# KiCad board Endstufe.kicad_pcb
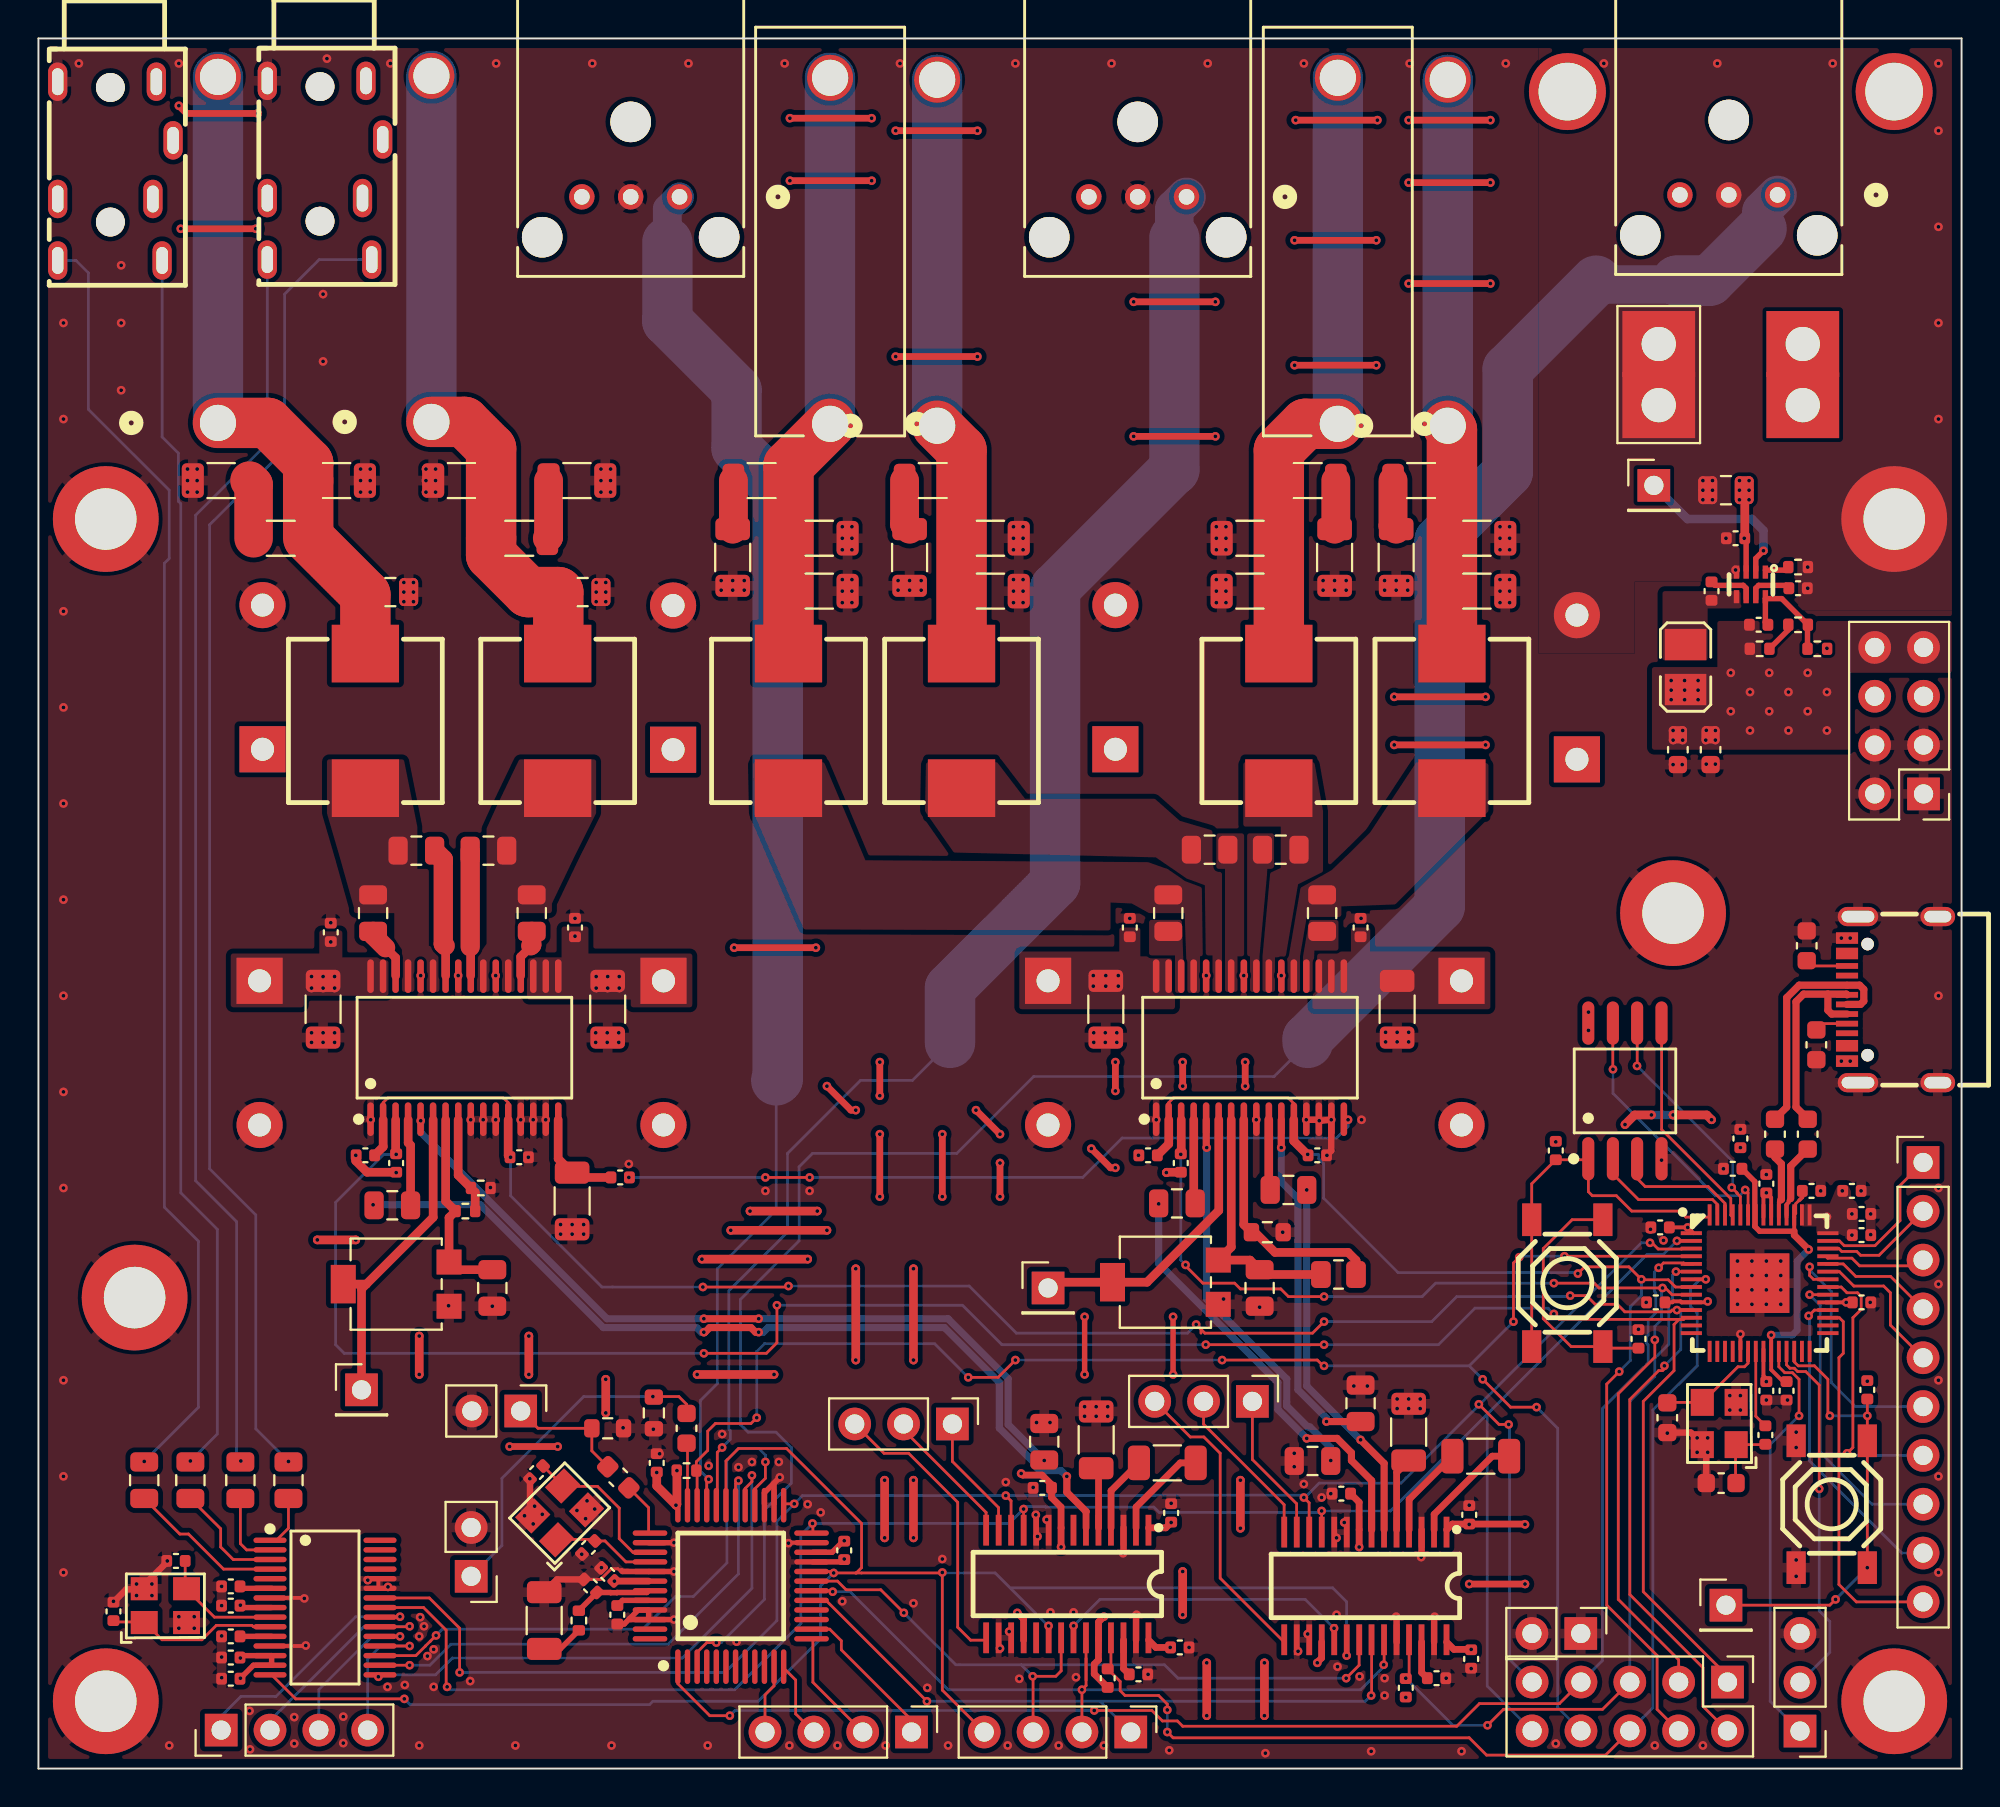
[diagram p0: board, top side]
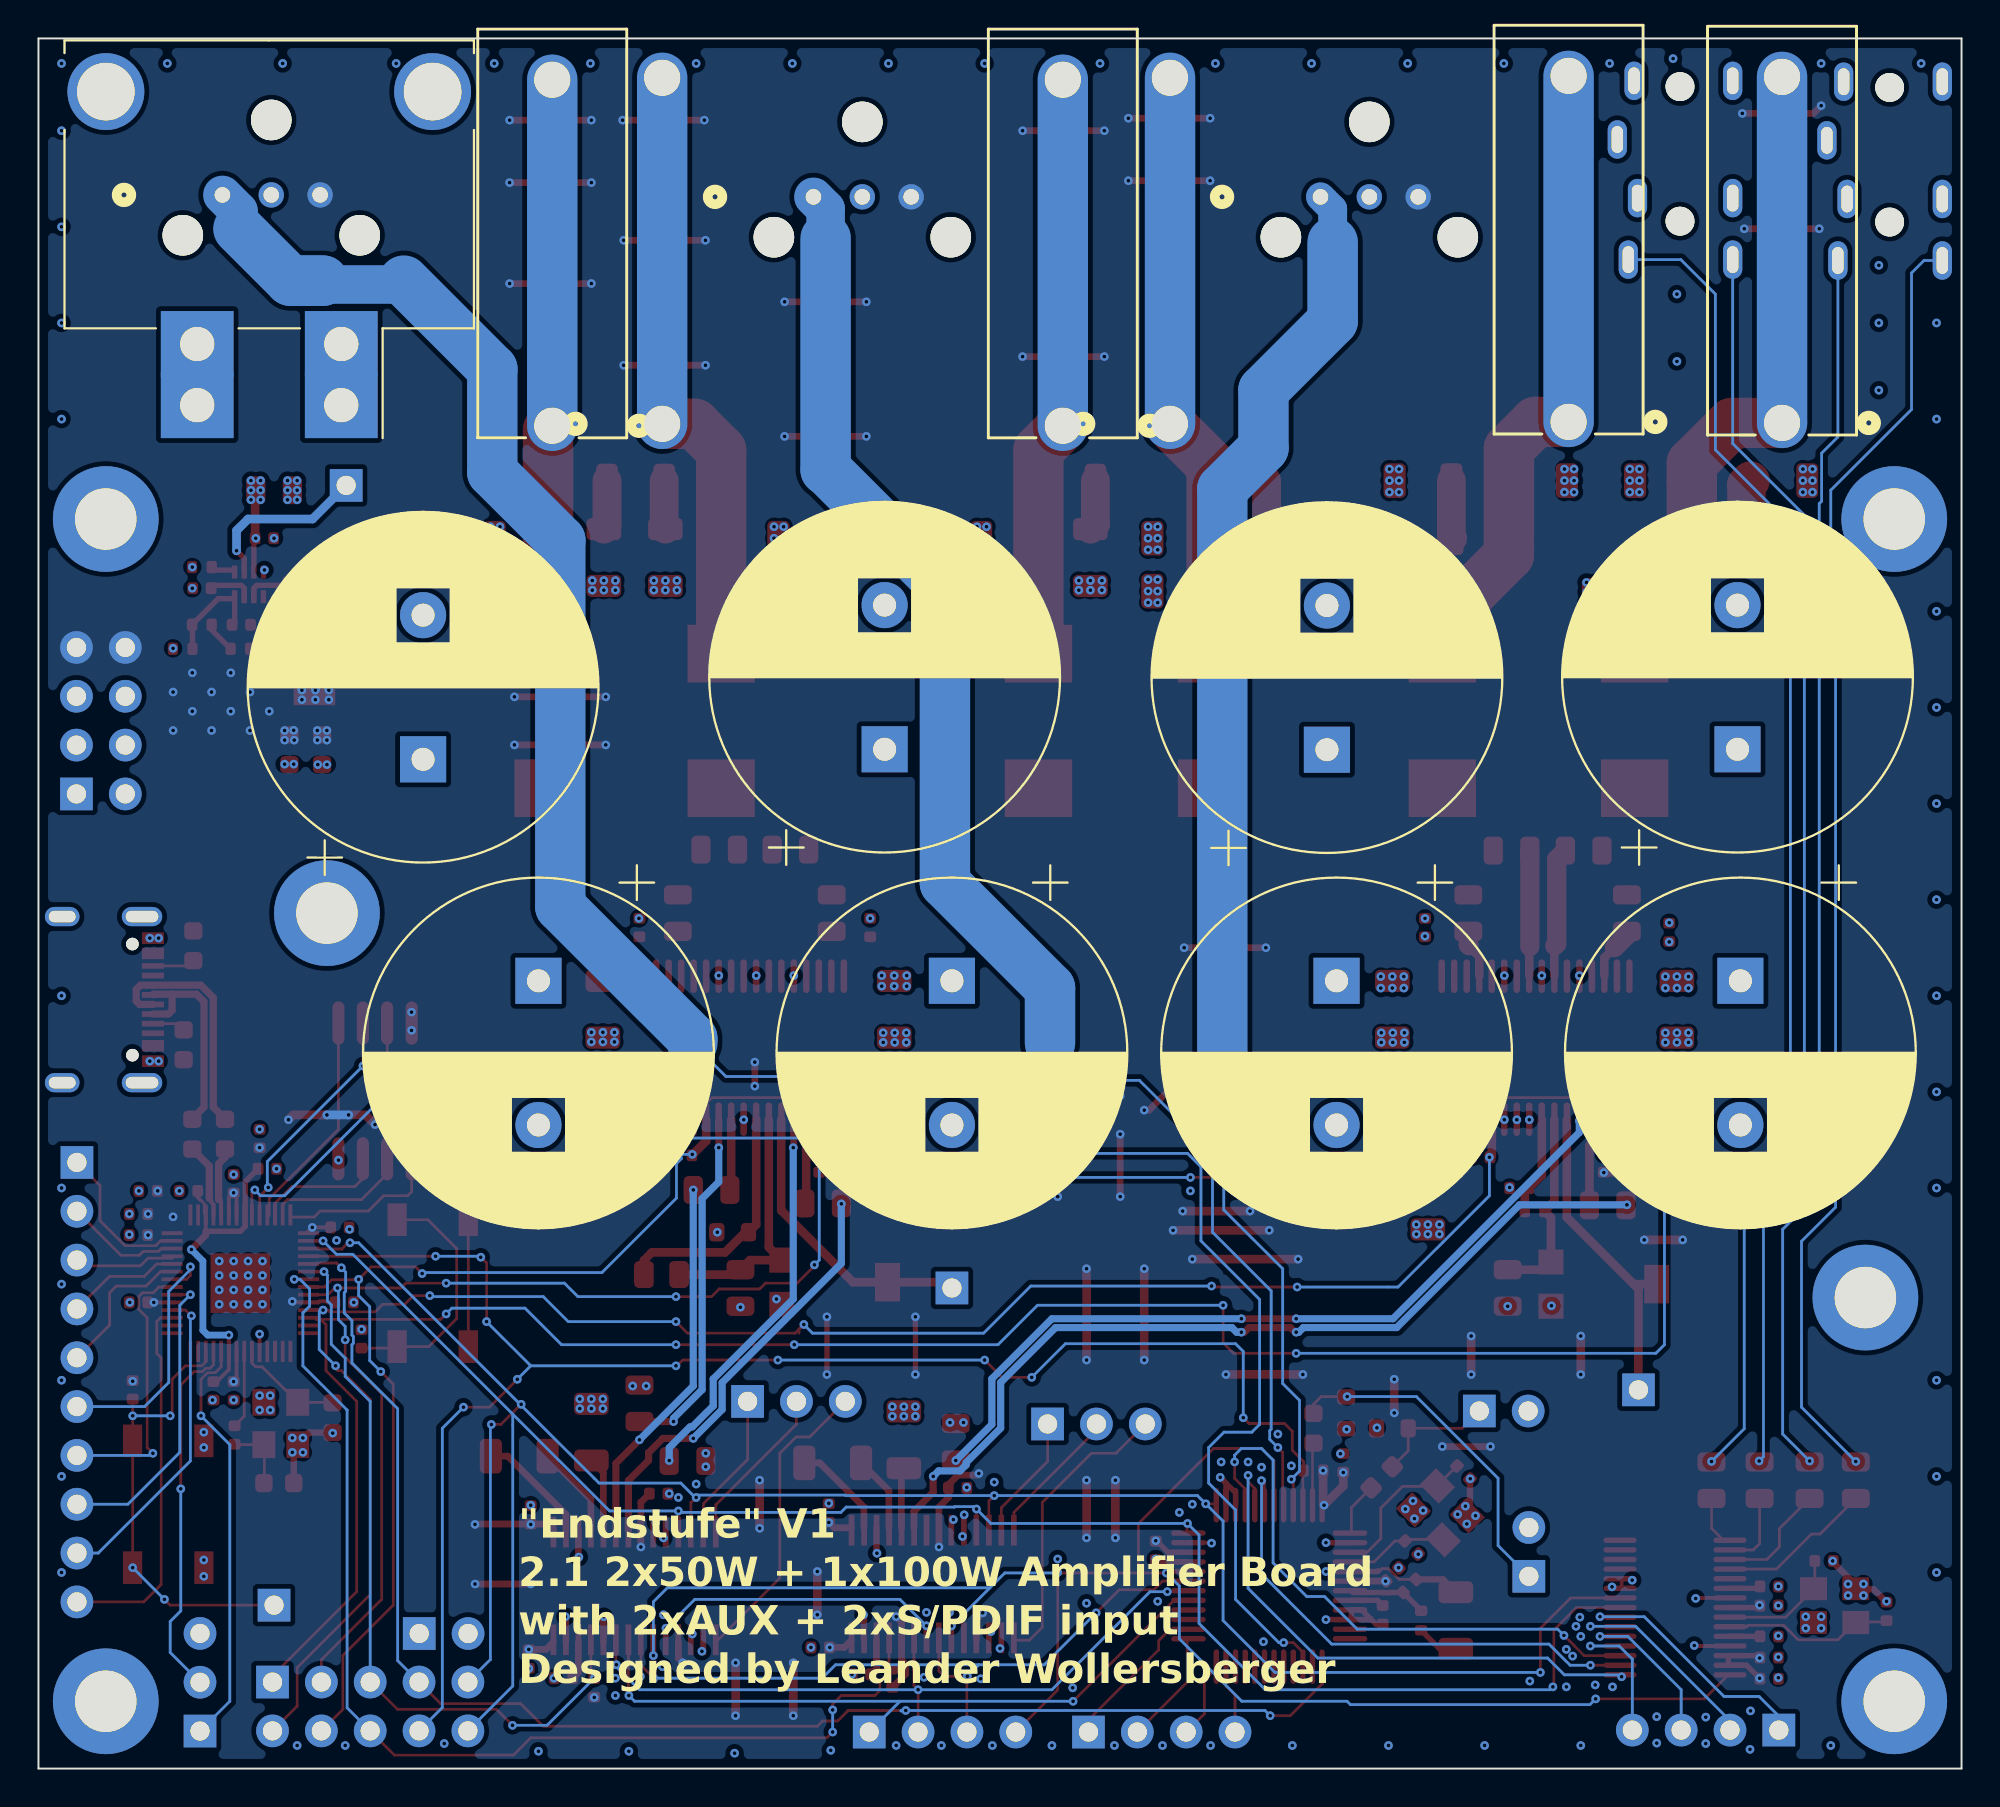
[diagram p1: board, bottom side, seen from below]

Outline 100 x 90 mm; copper layers: Top, In1.Cu, In2.Cu, Bottom. Coordinates in mm from the lower left corner of the outline.
Outline path: 0,90 0,0 100,0 100,90 0,90
Stack: Top 0.035mm / dielectric 0.0994mm 3313 er 4.1 / In1.Cu 0.0152mm / dielectric 1.265mm JLCPCB Core er 4.6 / In2.Cu 0.0152mm / dielectric 0.0994mm 3313 er 4.1 / Bottom 0.035mm

## Placement (name value [footprint] x y rotation side)
C1  10uF  [C_0805_2012Metric]  7.9 15 270 top
C2  10uF  [C_0805_2012Metric]  5.5 15 270 top
C3  10uF  [C_0805_2012Metric]  13 15 270 top
C4  10uF  [C_0805_2012Metric]  10.5 15 270 top
C5  33nF  [C_0402_1005Metric]  91.5 61.4 0 top
C6  100nF  [C_0402_1005Metric]  88.25 64 180 top
C7  30pF  [C_0402_1005Metric]  7.15 10.8 0 top
C8  30pF  [C_0402_1005Metric]  3.9 8.18 90 top
C9  10uF  [C_0805_2012Metric]  87.75 66.5 180 top
C10  10uF  [C_0402_1005Metric]  10 8.47 0 top
C11  10uF  [C_0402_1005Metric]  10 6.88 180 top
C12  10uF  [C_0402_1005Metric]  10 9.47 180 top
C13  10uF  [C_0402_1005Metric]  10 5.78 0 top
C14  10uF  [C_0402_1005Metric]  10 4.68 0 top
C15  10uF  [C_1206_3216Metric]  71.25 17.5 90 top
C16  10uF  [C_1206_3216Metric]  55 17.1 90 top
C17  10uF  [C_1206_3216Metric]  75 16.25 180 top
C18  10uF  [C_1206_3216Metric]  58.7 15.9 180 top
C19  4.7nF  [C_0402_1005Metric]  28.7 9.5 135 top
C20  68nF  [C_1206_3216Metric]  26.3 7.7 270 top
C21  100nF  [C_0402_1005Metric]  87 61.25 270 top
C22  47pF  [C_0402_1005Metric]  89.45 59.5 0 top
C23  22uF  [C_0603_1608Metric]  85.25 53 270 top
C24  10uF  [C_0402_1005Metric]  41.9 11.35 90 top
C25  10uF  [C_0402_1005Metric]  29.6 10.1 315 top
C26  10uF  [C_0402_1005Metric]  32.15 15.9 270 top
C27  10uF  [C_0402_1005Metric]  30.1 8 270 top
C28  22uF  [C_0603_1608Metric]  86.95 53 270 top
C29  30pF  [C_0402_1005Metric]  25.9 15.4 45 top
C30  30pF  [C_0402_1005Metric]  28.6 11.5 225 top
C31  0.1uF  [C_0603_1608Metric]  33.7 17.7 90 top
C32  0.1uF  [C_0603_1608Metric]  30.15 15.15 135 top
C33  10uF  [C_0402_1005Metric]  92.2 30.05 180 top
C34  10uF  [C_0402_1005Metric]  90.9 19.65 90 top
C35  10uF  [C_0402_1005Metric]  94.8 27.75 180 top
C36  10uF  [C_0402_1005Metric]  74.5 5.7 90 top
C37  10uF  [C_0402_1005Metric]  74.4 13.2 270 top
C38  10uF  [C_0402_1005Metric]  67.75 14.3 0 top
C39  10uF  [C_0402_1005Metric]  89.85 30.42 270 top
C40  10uF  [C_0402_1005Metric]  72.7 4.7 0 top
C43  10uF  [C_0402_1005Metric]  94.8 28.85 180 top
C44  10uF  [C_0402_1005Metric]  88.1 31.2 0 top
C45  10uF  [C_0402_1005Metric]  94.3 30.05 180 top
C46  10uF  [C_0402_1005Metric]  58.9 13.3 270 top
C47  10uF  [C_0402_1005Metric]  52.2 14.6 0 top
C48  10uF  [C_0402_1005Metric]  59.35 6.3 180 top
C50  10uF  [C_0402_1005Metric]  88.5 32.78 270 top
C51  10uF  [C_0402_1005Metric]  57.2 4.9 0 top
C53  1uF  [C_0805_2012Metric]  59.2 29.4 0 top
C54  1uF  [C_0805_2012Metric]  66.25 16 0 top
C55  1uF  [C_0805_2012Metric]  65 30.1 180 top
C56  1uF  [C_0805_2012Metric]  68.75 19 270 top
C57  1uF X7R  [C_0805_2012Metric]  63.5 25 90 top
C58  220nF  [C_0805_2012Metric]  17.4 44.5 90 top
C59  220nF  [C_0805_2012Metric]  19.65 47.75 180 top
C60  1uF  [C_0805_2012Metric]  52.3 17 270 top
C61  1uF X7R  [C_0805_2012Metric]  23.6 25 90 top
C62  1uF  [C_0805_2012Metric]  18.4 29.3 0 top
C63  1nF  [C_1206_3216Metric]  27.75 29.53 270 top
C64  220nF  [C_0805_2012Metric]  58.75 44.5 90 top
C65  220nF  [C_0805_2012Metric]  60.9 47.8 180 top
C66  100nF  [C_0402_1005Metric]  15.2 43.5 90 top
C67  100nF  [C_0402_1005Metric]  27.9 43.75 90 top
C68  10uF  [C_1206_3216Metric]  14.8 39.5 270 top
C69  10uF  [C_1206_3216Metric]  29.6 39.5 270 top
C70  2200uF  [CP_Radial_D18.0mm_P7.50mm]  33 53 90 bottom
C71  2200uF  [CP_Radial_D18.0mm_P7.50mm]  11.65 53.02 90 bottom
C72  220nF  [C_0805_2012Metric]  64.6 47.8 0 top
C73  220nF  [C_0805_2012Metric]  66.75 44.5 90 top
C74  680nF  [C_1206_3216Metric]  40.6 61.25 0 top
C75  680nF  [C_1206_3216Metric]  49.5 61.25 180 top
C76  680nF  [C_1206_3216Metric]  63 61.25 180 top
C77  680nF  [C_1206_3216Metric]  74.8 61.25 180 top
C78  1nF  [C_1206_3216Metric]  40.6 64 0 top
C79  1nF  [C_1206_3216Metric]  49.5 64 180 top
C80  10nF  [C_1206_3216Metric]  45.3 63 90 top
C81  10nF  [C_1206_3216Metric]  36.1 63 270 top
C82  1nF  [C_1206_3216Metric]  63 64 180 top
C83  1nF  [C_1206_3216Metric]  74.8 64 180 top
C84  10nF  [C_1206_3216Metric]  67.4 63 270 top
C85  10nF  [C_1206_3216Metric]  70.6 63 90 top
C86  10uF  [C_1206_3216Metric]  70.65 39.5 270 top
C87  10uF  [C_1206_3216Metric]  55.5 39.5 270 top
C88  100nF  [C_0402_1005Metric]  56.75 43.75 90 top
C89  100nF  [C_0402_1005Metric]  68.75 43.75 90 top
C90  2200uF  [CP_Radial_D18.0mm_P7.50mm]  52.5 40.98 270 bottom
C91  2200uF  [CP_Radial_D18.0mm_P7.50mm]  74 40.98 270 bottom
C92  1uF  [C_0805_2012Metric]  18.3 61.2 0 top
C93  1uF  [C_0805_2012Metric]  28.3 61.2 180 top
C94  1nF  [C_1206_3216Metric]  15.5 67 0 top
C95  1nF  [C_1206_3216Metric]  22 67 0 top
C96  10nF  [C_1206_3216Metric]  9.5 67 180 top
C97  10nF  [C_1206_3216Metric]  28 67 180 top
C98  220nF  [C_0805_2012Metric]  25.65 44.5 90 top
C99  220nF  [C_0805_2012Metric]  23.4 47.75 0 top
C100  2200uF  [CP_Radial_D18.0mm_P7.50mm]  56 53.02 90 bottom
C101  2200uF  [CP_Radial_D18.0mm_P7.50mm]  80 52.5 90 bottom
C102  2200uF  [CP_Radial_D18.0mm_P7.50mm]  32.5 40.98 270 bottom
C103  2200uF  [CP_Radial_D18.0mm_P7.50mm]  11.5 40.98 270 bottom
C104  10uF  [C_0402_1005Metric]  84.32 28.15 0 top
C105  10uF  [C_0402_1005Metric]  84.1 24.25 0 top
C106  10uF  [C_0402_1005Metric]  89.85 19.65 90 top
C107  10uF  [C_0402_1005Metric]  94.8 24.25 180 top
C108  30pF  [C_0603_1608Metric]  84.7 18.25 90 top
C109  30pF  [C_0603_1608Metric]  87.5 14.85 0 top
H1  MountingHole  [MountingHole_3.2mm_M3_ISO14580_Pad]  96.5 3.5 0 top
H2  MountingHole  [MountingHole_3.2mm_M3_ISO14580_Pad]  3.5 65 0 top
H3  MountingHole  [MountingHole_3.2mm_M3_ISO14580_Pad]  96.5 65 0 top
H4  MountingHole  [MountingHole_3.2mm_M3_ISO14580_Pad]  3.5 3.5 0 top
H5  MountingHole  [MountingHole_3.2mm_M3_ISO14580_Pad]  85 44.5 0 top
H6  MountingHole  [MountingHole_3.2mm_M3_ISO14580_Pad]  5 24.5 0 top
J1  ST-0322D00-071-1A2H  [AUDIO-TH_ST-0322D00-071-1A2H]  4 83.1 270 top
J2  ST-0322D00-071-1A2H  [AUDIO-TH_ST-0322D00-071-1A2H]  14.9 83.15 270 top
J3  DNP  [PinHeader_1x02_P2.54mm_Vertical]  22.5 10 180 top
J4  DNP  [PinHeader_1x02_P2.54mm_Vertical]  25.07 18.6 270 top
J5  FCR684205R  [CONN3_FCR684205R_CLF]  33.34 81.76 180 top
J6  FCR684205R  [CONN3_FCR684205R_CLF]  59.7 81.76 180 top
J7  DNP  [PinHeader_1x03_P2.54mm_Vertical]  63.12 19.1 270 top
J8  DNP  [PinHeader_1x03_P2.54mm_Vertical]  47.53 17.92 270 top
J9  Conn_01x01_Pin  [PinHeader_1x01_P2.54mm_Vertical]  52.5 25 0 top
J10  Conn_01x01_Pin  [PinHeader_1x01_P2.54mm_Vertical]  16.8 19.7 0 top
J11  banana connector  [CONN_973582100_HRS]  41.17 69.95 180 top
J12  banana connector  [CONN_973582100_HRS]  46.73 69.85 0 bottom
J13  banana connector  [CONN_973582100_HRS]  67.57 69.95 180 top
J14  banana connector  [CONN_973582100_HRS]  73.28 69.85 0 bottom
J15  banana connector  [CONN_973582100_HRS]  9.33 70 0 bottom
J16  banana connector  [CONN_973582100_HRS]  20.43 70.05 0 bottom
J17  DNP  [PinHeader_1x01_P2.54mm_Vertical]  84 66.75 0 top
J18  Conn_01x02_Pin  [Molex_Sabre_43160-1102_1x02_P7.49mm_Horizontal]  84.25 74.11 0 bottom
J19  DNP  [PinHeader_1x04_P2.54mm_Vertical]  9.5 2 90 top
J20  FCR684205R  [CONN3_FCR684205R_CLF]  90.44 81.86 180 top
J21  DNP  [PinHeader_1x04_P2.54mm_Vertical]  45.4 1.9 270 top
J22  DNP  [PinHeader_1x10_P2.54mm_Vertical]  98 31.53 0 top
J23  DNP  [PinHeader_2x05_P2.54mm_Vertical]  87.83 4.5 270 top
J24  DNP  [PinHeader_2x04_P2.54mm_Vertical]  98.03 50.7 180 top
J27  DNP  [PinHeader_1x01_P2.54mm_Vertical]  87.75 8.5 0 top
J28  DNP  [PinHeader_1x03_P2.54mm_Vertical]  91.6 1.95 180 top
J29  DNP  [PinHeader_1x04_P2.54mm_Vertical]  56.8 1.9 270 top
J30  DNP  [PinHeader_1x02_P2.54mm_Vertical]  80.2 7.03 270 top
L1  10uH  [IND-SMD_L8.5-W8.0_PCC-M0854M]  39 54.5 90 top
L2  10uH  [IND-SMD_L8.5-W8.0_PCC-M0854M]  48 54.5 90 top
L3  10uH  [IND-SMD_L8.5-W8.0_PCC-M0854M]  64.5 54.5 90 top
L4  10uH  [IND-SMD_L8.5-W8.0_PCC-M0854M]  73.5 54.5 90 top
L5  10uH  [IND-SMD_L8.5-W8.0_PCC-M0854M]  17 54.5 90 top
L6  10uH  [IND-SMD_L8.5-W8.0_PCC-M0854M]  27 54.5 90 top
L7  2.2uH  [L2520]  85.65 57.3 270 top
R1  1.3k  [R_0402_1005Metric]  91.5 59.5 0 top
R5  680  [R_0402_1005Metric]  28.1 7.7 90 top
R6  10k  [R_0402_1005Metric]  33.7 15.5 180 top
R7  75  [R_0603_1608Metric]  32 18.5 270 top
R8  75  [R_0603_1608Metric]  29.6 17.7 0 top
R9  10k  [C_0402_1005Metric]  71.1 4.2 270 top
R10  10k  [C_0402_1005Metric]  55.6 4.7 270 top
R11  10k  [C_0402_1005Metric]  57.7 31.9 180 top
R12  10k  [C_0402_1005Metric]  59.4 31.5 270 top
R13  10k  [C_0402_1005Metric]  66.5 31.9 180 top
R14  DNP  [R_0805_2012Metric]  67.6 25.7 0 top
R15  5.6k  [R_0603_1608Metric]  63.9 27.9 0 top
R16  51k  [R_0402_1005Metric]  23 30.2 0 top
R17  51k  [R_0402_1005Metric]  22.2 29 0 top
R18  10k  [C_0402_1005Metric]  17 31.9 180 top
R19  10k  [C_0402_1005Metric]  18.6 31.5 270 top
R20  10k  [C_0402_1005Metric]  25 31.8 180 top
R21  10k  [C_0402_1005Metric]  30.25 30.75 180 top
R22  3.3  [R_1206_3216Metric]  37.6 67 180 top
R23  3.3  [R_1206_3216Metric]  46.5 67 0 top
R24  3.3  [R_1206_3216Metric]  66 67 0 top
R25  3.3  [R_1206_3216Metric]  71.9 67 0 top
R26  3.3  [R_1206_3216Metric]  12.6 64 180 top
R27  3.3  [R_1206_3216Metric]  25 64 180 top
R28  15k 100mW  [R_0402_1005Metric]  91.5 62.5 0 top
R29  30k 63mW  [R_0402_1005Metric]  89.5 58.25 0 top
R30  10k 63mW  [R_0402_1005Metric]  92.5 58.25 0 top
R31  10k  [C_0402_1005Metric]  78.9 32.15 270 top
R32  1k  [C_0402_1005Metric]  83.2 22.35 270 top
R33  27  [C_0603_1608Metric]  90.3 33 90 top
R34  27  [C_0603_1608Metric]  92 33 270 top
R35  5.1k  [C_0603_1608Metric]  91.95 42.8 90 top
R36  5.1k  [C_0603_1608Metric]  92.45 37.65 270 top
R37  10k  [C_0402_1005Metric]  95.1 19.7 90 top
R38  1k  [C_0402_1005Metric]  89.8 17.35 90 top
RV1  10k  [Potentiometer_Bourns_3314G_Vertical]  58.6 25.3 270 top
RV2  10k  [Potentiometer_Bourns_3314G_Vertical]  18.6 25.2 270 top
SW1  TS-1187A-B-A-B  [SW-SMD_4P-L5.1-W5.1-P3.70-LS6.5-TL-2]  79.5 25.25 90 top
SW2  TS-1187A-B-A-B  [SW-SMD_4P-L5.1-W5.1-P3.70-LS6.5-TL-2]  93.25 13.75 270 top
U1  PCM1865DBTR  [TSSOP-30_L7.8-W4.4-P0.50-LS6.4-BL]  14.9 8.38 270 top
U2  PCM9211PTR  [TQFP-48_L7.0-W7.0-P0.50-LS9.0-TL]  36 9.5 90 top
U3  PCM5122PW  [TSSOP-28_L9.8-W6.6-P0.65-BL]  69 9.5 180 top
U4  PCM5122PW  [TSSOP-28_L9.8-W6.6-P0.65-BL]  53.5 9.6 180 top
U5  TPA3116D2DADR  [HTSSOP-32_L11.0-W6.1-P0.65-LS8.1-BL]  63 37.5 0 top
U6  TPA3116D2DADR  [HTSSOP-32_L11.0-W6.1-P0.65-LS8.1-BL]  22.15 37.5 0 top
U7  TPS62933  [SOT-583-8_L2.1-W1.2-P0.50-LS1.6-BR]  89.05 61.6 90 top
U8  RP2040  [LQFN-56_L7.0-W7.0-P0.4-EP]  89.5 25.25 0 top
U9  W25Q128JVS  [SOIC-8_L5.3-W5.3-P1.27-LS8.0-BL]  82.5 35.25 0 top
U10  TYPE-C 16PFS 2JCB1.2-H6.5 IPX8  [USB-C-SMD_TYPE-C16PIN]  96.41 40 90 top
Y1  24.576Mhz  [OSC-SMD_4P-L3.2-W2.5-BL]  6.6 8.47 0 top
Y2  24.576Mhz  [OSC-SMD_4P-L3.2-W2.5-BL]  27.1 13.3 45 top
Y3  12Mhz  [OSC-SMD_4P-L3.2-W2.5-BL]  87.4 17.95 90 top

## Library data of the parts
C1-C4 = -: Description: Unpolarized capacitor; LCSC Part #: C15850
C5 = -: Description: Unpolarized capacitor; LCSC Part #: C106862
C6 C21 C66 C67 C88 C89 = -: Description: Unpolarized capacitor; LCSC Part #: C307331
C7 C8 C29 C30 = -: Description: Unpolarized capacitor; LCSC Part #: C458861
C9 = -: Description: Unpolarized capacitor; LCSC Part #: C440198
C10-C14 C24-C27 C33-C40 C43-C48 C50 C51 C104-C107 = -: Description: Unpolarized capacitor; LCSC Part #: C15525
C15-C18 C68 C69 C86 C87 = -: Description: Unpolarized capacitor; LCSC Part #: C89632
C19 = -: Description: Unpolarized capacitor; LCSC Part #: C1518204
C20 = -: Description: Unpolarized capacitor; LCSC Part #: C361177
C22 = -: Description: Unpolarized capacitor; LCSC Part #: C1567
C23 C28 = -: Description: Unpolarized capacitor; LCSC Part #: C59461
C31 C32 = -: Description: Unpolarized capacitor; LCSC Part #: C913912
C53-C57 C60-C62 = -: Description: Unpolarized capacitor; LCSC Part #: C28323
C58 C59 C64 C65 C72 C73 C98 C99 = -: Description: Unpolarized capacitor, small symbol; LCSC Part #: C5378
C63 = -: Description: Unpolarized capacitor; LCSC Part #: C5137603
C70 C71 C90 C91 C100-C103 = -: Description: Polarized capacitor; LCSC Part #: C443034
C74-C77 = -: Description: Unpolarized capacitor, small symbol; LCSC Part #: C2835168
C78 C79 C82 C83 C94 C95 = -: Description: Unpolarized capacitor, small symbol; LCSC Part #: C5137603
C80 C81 C84 C85 C96 C97 = -: Description: Unpolarized capacitor, small symbol; LCSC Part #: C9194
C92 C93 = -: Description: Unpolarized capacitor, small symbol; LCSC Part #: C28323
C108 C109 = -: Description: Unpolarized capacitor; LCSC Part #: C1658
H1-H6 = -: Description: Mounting Hole with connection
J1 J2 = -: LCSC Part #: C2829970
J3 J4 J18 = -: Description: Generic connector, single row, 01x02, script generated; LCSC Part #: -
J5 J6 J20 = -: LCSC Part #: -
J7 J8 = -: Description: Generic connector, single row, 01x03, script generated
J9-J17 J27 = -: Description: Generic connector, single row, 01x01, script generated; LCSC Part #: -
J19 J21 J29 = -: Description: Generic connector, single row, 01x04, script generated; LCSC Part #: -
J22 J23 = -: Description: Generic connector, single row, 01x10, script generated; LCSC Part #: -
J24 = -: Description: Generic connector, double row, 02x04, counter clockwise pin numbering scheme (similar to DIP package numbering), script generated (kicad-library-utils/schlib/autogen/connector/); LCSC Part #: -
J28 = -: Description: Generic connector, single row, 01x03, script generated; LCSC Part #: -
J30 = -: Description: Generic connector, single row, 01x02, script generated
L1-L6 = -: Description: Inductor; LCSC Part #: C2962885
L7 = -: Description: Inductor; LCSC Part #: C280577
R1 = -: Description: Resistor; LCSC Part #: C445599
R5 = -: Description: Resistor; LCSC Part #: C852886
R6 R9-R13 R18-R21 R30 R31 R37 = -: Description: Resistor; LCSC Part #: C25744
R7 R8 = -: Description: Resistor; LCSC Part #: C4275
R14 = -: Description: Resistor; LCSC Part #: -
R15 = -: Description: Resistor; LCSC Part #: C23189
R16 R17 = -: Description: Resistor; LCSC Part #: C25794
R22-R27 = -: Description: Resistor; LCSC Part #: C2930397
R28 = -: Description: Resistor; LCSC Part #: C413097
R29 = -: Description: Resistor; LCSC Part #: C2961363
R32 R38 = -: Description: Resistor; LCSC Part #: C11702
R33 R34 = -: Description: Resistor; LCSC Part #: C2828673
R35 R36 = -: Description: Resistor; LCSC Part #: C2989458
RV1 RV2 = -: Description: Potentiometer; LCSC Part #: C780220
SW1 SW2 = -: LCSC Part #: C318884
U1 = -: LCSC Part #: C181312
U2 = -: LCSC Part #: C181660
U3 U4 = -: LCSC Part #: C1540085
U5 U6 = -: LCSC Part #: C50144
U7 = -: Description: 3.8-V to 30-V, 2-A, 3-A Synchronous Buck Converters, SOT583-8; LCSC Part #: C3200405
U8 = -: Description: A microcontroller by Raspberry Pi; LCSC Part #: C2040
U9 = -: Description: 128Mb Serial Flash Memory, Standard/Dual/Quad SPI, SOIC-8; LCSC Part #: C97521
U10 = -: LCSC Part: C393939; LCSC Part #: C393939
Y1 Y2 = -: Description: Four pin crystal, GND on pins 2 and 4; LCSC Part #: C2901683
Y3 = -: Description: Four pin crystal, GND on pins 2 and 4; LCSC Part #: C9002

## Footprints (pads in the part's own frame, mm; a bottom-side part is the same pattern mirrored in y, then rotated)
AUDIO-TH_ST-0322D00-071-1A2H
  round 1.5 hole 1.5: (-4.35,-0.26) (2.65,-0.26)
  oval 2x1 hole 1.4x0.6: 1(-4.65,-3) 2(-4.65,2.13) 3(4.65,-3) 4(4.65,2.43) 5(1.45,1.95) 6(1.45,-3) 7(-1.6,3)
C_0402_1005Metric
  rrect 0.56x0.62 smd: 1(-0.48,0) 2(0.48,0)
C_0603_1608Metric
  rrect 0.9x0.95 smd: 1(-0.775,0) 2(0.775,0)
C_0805_2012Metric
  rrect 1x1.45 smd: 1(-0.95,0) 2(0.95,0)
C_1206_3216Metric
  rrect 1.15x1.8 smd: 1(-1.475,0) 2(1.475,0)
CONN3_FCR684205R_CLF
  round 2.108 hole 2.108: (-2.06,2.1) (2.54,-3.9) (7.14,2.1)
  round 1.321 hole 0.813: 1(0,0) 2(2.54,0) 3(5.08,0)
CONN_973582100_HRS
  round 2.388 hole 1.88: 1(0,0) 1(0,-18)
CP_Radial_D18.0mm_P7.50mm
  rect 2.4x2.4 hole 1.2: 1(0,0)
  round 2.4 hole 1.2: 2(7.5,0)
HTSSOP-32_L11.0-W6.1-P0.65-LS8.1-BL
  oval 0.34x1.75 smd: 1(-4.88,-3.72) 2(-4.23,-3.72) 3(-3.58,-3.72) 4(-2.93,-3.72) 5(-2.28,-3.72) 6(-1.63,-3.72) 7(-0.98,-3.72) 8(-0.32,-3.72) 9(0.33,-3.72) 10(0.98,-3.72) 11(1.63,-3.72) 12(2.28,-3.72) 13(2.93,-3.72) 14(3.58,-3.72) 15(4.23,-3.72) 16(4.88,-3.72) 17(4.88,3.72) 18(4.23,3.72) 19(3.58,3.72) 20(2.93,3.72) 21(2.28,3.72) 22(1.63,3.72) 23(0.98,3.72) 24(0.33,3.72) 25(-0.32,3.72) 26(-0.98,3.72) 27(-1.63,3.72) 28(-2.28,3.72) 29(-2.93,3.72) 30(-3.58,3.72) 31(-4.23,3.72) 32(-4.88,3.72)
IND-SMD_L8.5-W8.0_PCC-M0854M
  rect 3x3.5 smd: 1(-3.5,0) 2(3.5,0)
L2520
  rect 1.63x2.16 smd: 1(-1.17,0) 2(1.17,0)
LQFN-56_L7.0-W7.0-P0.4-EP
  rect 1.1x0.2 smd: 1(-3.55,2.6) 2(-3.55,2.2) 3(-3.55,1.8) 4(-3.55,1.4) 5(-3.55,1) 6(-3.55,0.6) 7(-3.55,0.2) 8(-3.55,-0.2) 9(-3.55,-0.6) 10(-3.55,-1) 11(-3.55,-1.4) 12(-3.55,-1.8) 13(-3.55,-2.2) 14(-3.55,-2.6) 29(3.55,-2.6) 30(3.55,-2.2) 31(3.55,-1.8) 32(3.55,-1.4) 33(3.55,-1) 34(3.55,-0.6) 35(3.55,-0.2) 36(3.55,0.2) 37(3.55,0.6) 38(3.55,1) 39(3.55,1.4) 40(3.55,1.8) 41(3.55,2.2) 42(3.55,2.6)
  rect 0.2x1.1 smd: 15(-2.6,-3.55) 16(-2.2,-3.55) 17(-1.8,-3.55) 18(-1.4,-3.55) 19(-1,-3.55) 20(-0.6,-3.55) 21(-0.2,-3.55) 22(0.2,-3.55) 23(0.6,-3.55) 24(1,-3.55) 25(1.4,-3.55) 26(1.8,-3.55) 27(2.2,-3.55) 28(2.6,-3.55) 43(2.6,3.55) 44(2.2,3.55) 45(1.8,3.55) 46(1.4,3.55) 47(1,3.55) 48(0.6,3.55) 49(0.2,3.55) 50(-0.2,3.55) 51(-0.6,3.55) 52(-1,3.55) 53(-1.4,3.55) 54(-1.8,3.55) 55(-2.2,3.55) 56(-2.6,3.55)
  rect 3.1x3.1 smd: 57(0,0)
Molex_Sabre_43160-1102_1x02_P7.49mm_Horizontal
  round 4 hole 3: (-4.75,-13.13) (12.24,-13.13)
  rect 3.78x3.43 hole 1.78: 1(0,0) 1(0,3.18) 2(7.49,0) 2(7.49,3.18)
MountingHole_3.2mm_M3_ISO14580_Pad
  round 5.5 hole 3.2: 1(0,0)
OSC-SMD_4P-L3.2-W2.5-BL
  rect 1.4x1.2 smd: 1(-1.1,-0.88) 2(1.1,-0.88) 3(1.1,0.88) 4(-1.1,0.88)
PinHeader_1x01_P2.54mm_Vertical
  rect 1.7x1.7 hole 1: 1(0,0)
PinHeader_1x02_P2.54mm_Vertical
  rect 1.7x1.7 hole 1: 1(0,0)
  oval 1.7x1.7 hole 1: 2(0,-2.54)
PinHeader_1x03_P2.54mm_Vertical
  rect 1.7x1.7 hole 1: 1(0,0)
  oval 1.7x1.7 hole 1: 2(0,-2.54) 3(0,-5.08)
PinHeader_1x04_P2.54mm_Vertical
  rect 1.7x1.7 hole 1: 1(0,0)
  oval 1.7x1.7 hole 1: 2(0,-2.54) 3(0,-5.08) 4(0,-7.62)
PinHeader_1x10_P2.54mm_Vertical
  rect 1.7x1.7 hole 1: 1(0,0)
  oval 1.7x1.7 hole 1: 2(0,-2.54) 3(0,-5.08) 4(0,-7.62) 5(0,-10.16) 6(0,-12.7) 7(0,-15.24) 8(0,-17.78) 9(0,-20.32) 10(0,-22.86)